# KiCad board master-circuit.kicad_pcb (continued)
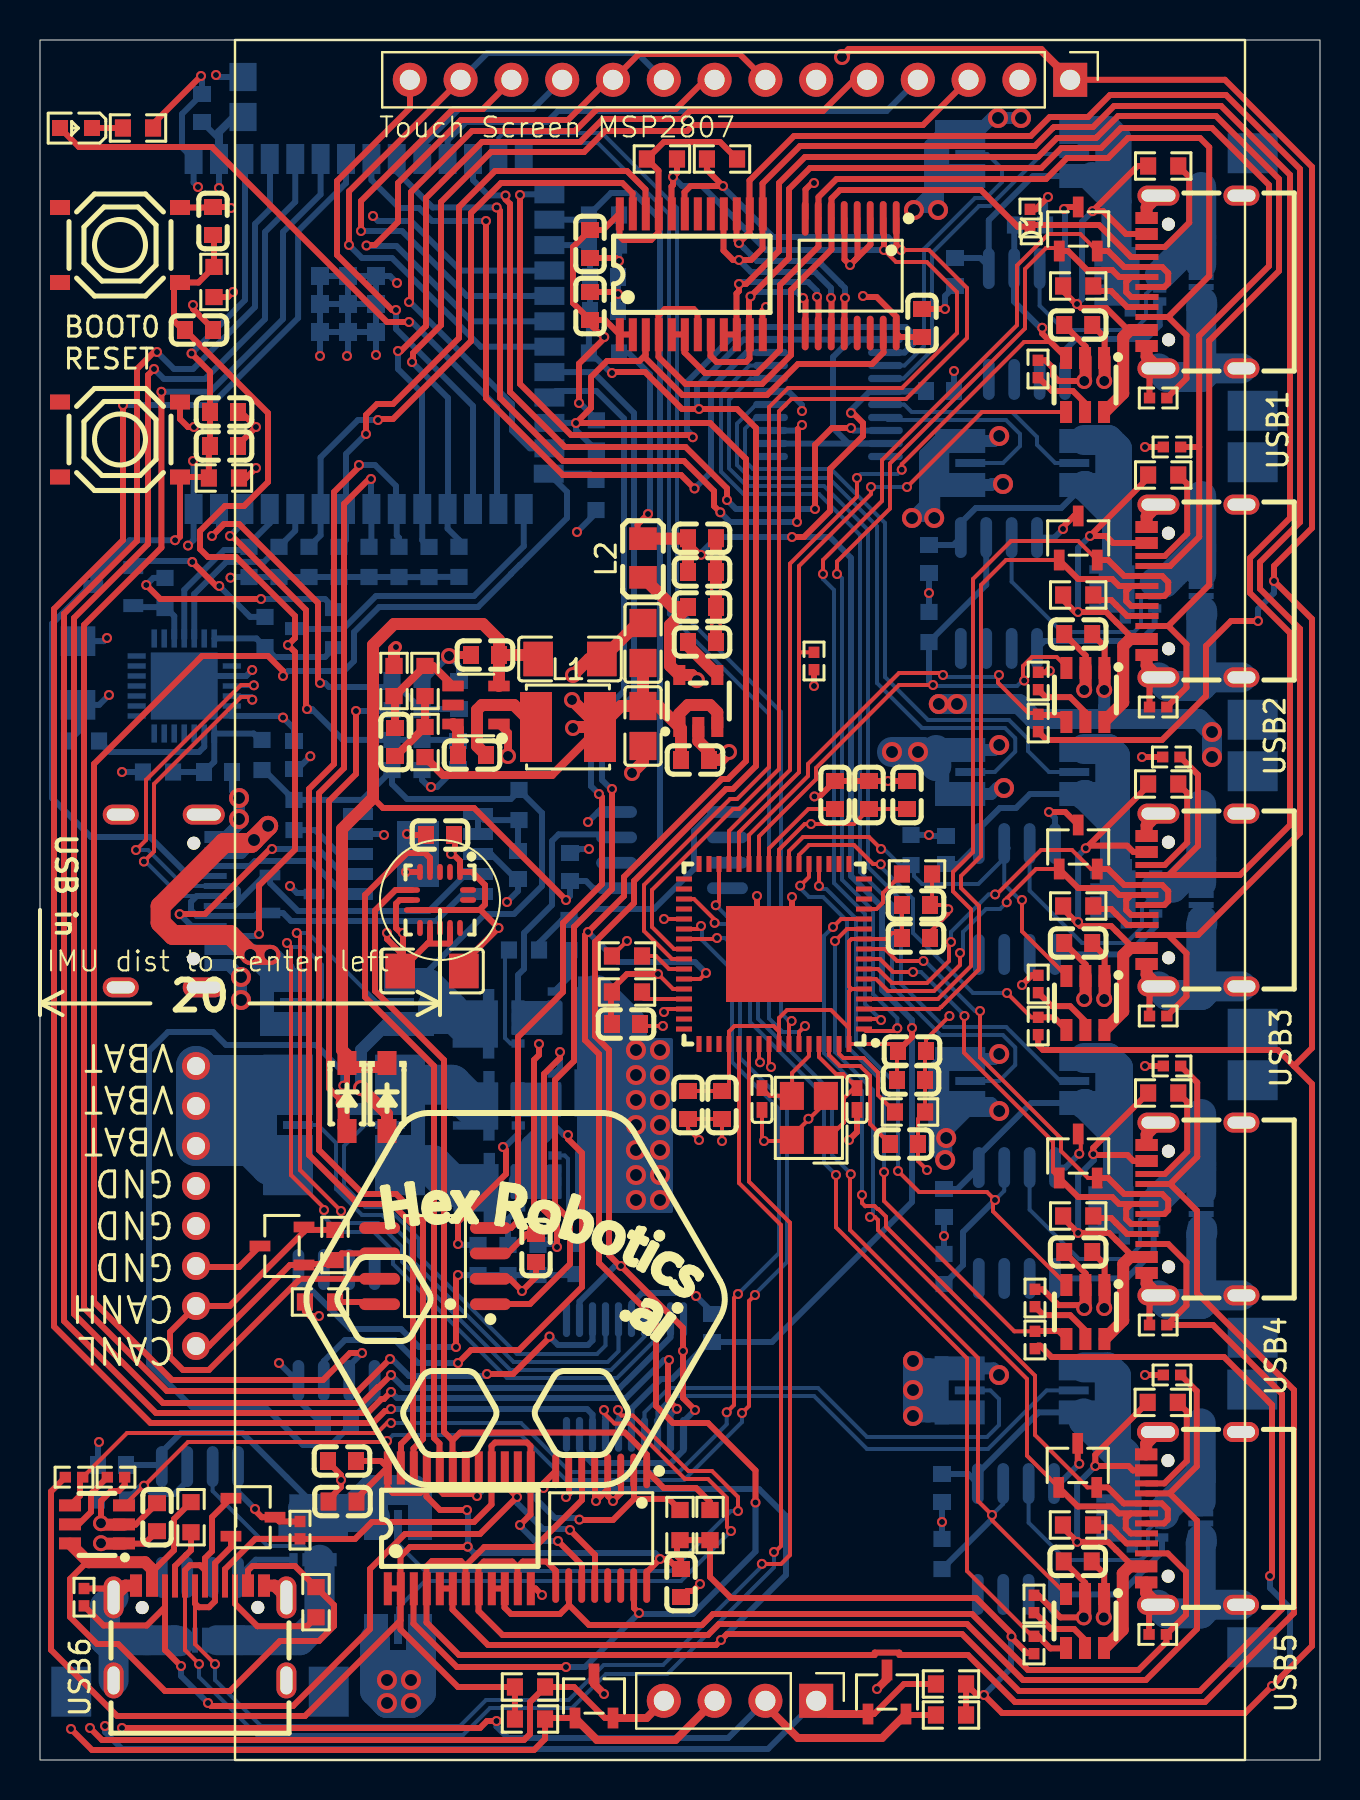
[diagram p0: board, top side]
## Routing (per net, layer and track width the routed paths; a pad name or vN(x,y) marks a point on that pad's centre or on a via; arc(x,y) is an arc through that point) (continued)
STATUS_LED: length 32.8
  Top w0.3: v1(18.45,71.9) 17.35,71.9 8.6,80.65 1.95,80.65 LED1.2
  Bottom w0.3: U1.28 22.85,62.62 22.85,67.65 18.6,71.9 v1(18.45,71.9)
TOUCH_CS: length 9
  Bottom w0.3: U1.10 19.11,80.71 20.95,82.55 24.65,82.55 U35.11
TOUCH_INT: length 25.9
  Top w0.3: U35.14 18.5,84 18.5,82.6 14.85,78.95 14.85,75.25 17.6,72.5 v1(17.8,72.5)
  Bottom w0.3: v1(17.8,72.5) 17.8,71.55 21.65,67.7 U1.29
TX: length 8.9
  Bottom w0.3: U10.25 7.21,58.51 9.21,60.5 10.29,60.5 R33.1 10.45,60.8 11.49,61.84 U1.37
USBDN1_D+: length 54.5
  Top w0.2: v1(39.15,59.3) 39.15,60 42.1,62.95 42.1,64.99 48.85,71.74 48.85,74.72 50.43,76.3 52.01,76.3 D1.2 ; v1(42.05,37) 42,37.05 U24.2
  Top w0.3: D1.2 52.86,75.45 53.41,75.45 54.21,74.65 USB1.B6 56.11,74.65 56.41,74.35 56.41,73.84 56.22,73.65 USB1.A6
  Bottom w0.2: v1(39.15,59.3) 39.15,59.05 39.7,58.5 39.7,43.85 41.25,42.3 41.25,37.8 v1(42.05,37)
USBDN1_D-: length 54
  Top w0.2: v1(42.87,36.59) 42.73,36.45 41.3,36.45 U24.1 ; v1(39.85,59.3) 39.85,59.92 42.5,62.57 42.5,64.83 49.25,71.58 49.25,74.55 50.3,75.6 50.81,75.6 D1.1
  Top w0.3: D1.1 51.4,75.45 52.35,74.5 53.61,74.5 53.96,74.15 54.56,74.15 ; 54.56,74.15 USB1.A7 ; 54.56,74.15 54.31,73.9 54.31,73.4 54.56,73.15 USB1.B7
  Bottom w0.2: v1(39.85,59.3) 39.88,59.3 40.1,59.08 40.1,44.02 41.65,42.47 41.65,38.3 42.87,37.08 v1(42.87,36.59)
USBDN2_D+: length 39.2
  Top w0.2: D2.2 51.91,60.95 48.55,60.95 46.65,59.05 46.65,45.4 45.65,44.4 45.65,43.43 46.55,42.53 46.55,39.7 44.9,38.05 U24.4
  Top w0.3: D2.2 52.86,60 53.41,60 54.21,59.2 USB2.B6 56.11,59.2 56.41,58.9 56.41,58.39 56.22,58.2 USB2.A6
USBDN2_D-: length 37.9
  Top w0.2: D2.1 48.3,60 47.05,58.75 47.05,45.2 46.05,44.2 46.05,43.6 46.95,42.7 46.95,39.53 45.07,37.65 45.05,37.65 44.95,37.55 U24.3
  Top w0.3: D2.1 51.91,59.05 53.61,59.05 53.96,58.7 54.56,58.7 ; USB2.B7 54.56,57.7 54.31,57.95 54.31,58.45 54.56,58.7 ; 54.56,58.7 USB2.A7
USBDN3_D+: length 21.5
  Top w0.2: v1(47.76,43.28) 47.83,43.28 50.05,45.5 51.6,45.5 52.55,44.55 D5.2 ; U24.7 41.9,39.55 42.6,38.85 44.35,38.85 45.45,39.95 45.45,40.8 v1(45.55,40.9)
  Top w0.3: USB3.A6 56.22,42.75 56.41,42.94 56.41,43.45 56.11,43.75 USB3.B6 54.21,43.75 53.41,44.55 52.86,44.55 D5.2
  Bottom w0.2: v1(45.55,40.9) 45.55,41.4 47.43,43.28 v1(47.76,43.28)
USBDN3_D-: length 20.5
  Top w0.2: U24.6 41.8,39.05 42.4,38.45 44.7,38.45 46,39.75 v1(46,40.35) ; D5.1 49.8,44.55 48.34,43.09 v1(48.34,42.89)
  Top w0.3: 54.56,43.25 53.96,43.25 53.61,43.6 51.91,43.6 D5.1 ; 54.56,43.25 USB3.A7 ; 54.56,43.25 54.31,43 54.31,42.5 54.56,42.25 USB3.B7
  Bottom w0.2: v1(46,40.35) 46.15,40.5 46.15,41.4 47.3,42.55 48,42.55 v1(48.34,42.89)
USBDN4_D+: length 23.8
  Top w0.2: v1(44.17,39.95) 42.85,39.95 42.25,40.55 U24.9 ; D9.2 52.4,29.1 51.05,30.45 51.05,31.08 47,35.13 v1(47,37.45)
  Top w0.3: D9.2 52.86,29.1 53.41,29.1 54.21,28.3 USB4.B6 56.11,28.3 56.41,28 56.41,27.49 56.22,27.3 USB4.A6
  Bottom w0.2: v1(47,37.45) 46.75,37.45 44.25,39.95 v1(44.17,39.95)
USBDN4_D-: length 23.2
  Top w0.2: v1(43.65,39.4) 42.65,39.4 42,40.05 U24.8 ; v1(46.22,37.2) 46.2,37.18 46.2,35.36 50.65,30.91 50.65,29.41 D9.1
  Top w0.3: USB4.A7 54.56,27.8 ; 54.56,27.8 54.31,27.55 54.31,27.05 54.56,26.8 USB4.B7 ; 54.56,27.8 53.96,27.8 53.61,28.15 51.91,28.15 D9.1
  Bottom w0.2: v1(46.22,37.2) 46.05,37.37 46.05,37.4 44.05,39.4 v1(43.65,39.4)
USBDN5_D+: length 41.8
  Top w0.2: v1(39.65,41.65) 40.05,42.05 U24.12 ; D10.2 52.37,13.63 49.75,16.25 49.75,19.22 42.3,26.67 42.3,27.17 41.92,27.55 41.88,27.55 41.73,27.7 41.27,27.7 41.26,27.69 41.1,27.85 v1(41.1,28.25)
  Top w0.3: USB5.A6 56.2,11.83 56.39,12.02 56.39,12.53 56.09,12.83 USB5.B6 54.19,12.83 53.39,13.63 52.84,13.63 D10.2
  Bottom w0.2: v1(41.1,28.25) 41.1,33.45 39.2,35.35 39.2,41.2 v1(39.65,41.65)
USBDN5_D-: length 40.8
  Top w0.2: D10.1 49.35,15.22 49.35,19.05 41.9,26.5 41.9,27 41.75,27.15 v1(41.5,27.15) ; U24.11 40.35,41.55 v1(39.75,40.95)
  Top w0.3: D10.1 51.89,12.68 53.59,12.68 53.94,12.33 54.54,12.33 ; USB5.B7 54.54,11.33 54.29,11.58 54.29,12.08 54.54,12.33 ; 54.54,12.33 USB5.A7
  Bottom w0.2: v1(41.5,27.15) 41.65,27.3 41.65,33.5 39.75,35.4 v1(39.75,40.95)
USBDN6_D+: length 70.5
  Top w0.2: v1(8.75,4.79) 7.75,5.79 USB6.A6 ; v1(36.09,9.81) 36.1,9.8 37.05,9.8 37.5,10.25 37.5,26.87 35.45,28.92 U24.54
  Top w0.3: USB6.A6 7.75,7.83 7.94,7.64 8.45,7.64 8.75,7.94 USB6.B6 8.75,9.84 9.55,10.64 9.55,11.19 D11.2
  Bottom w0.2: v1(8.75,4.79) 8.75,4 11.05,1.7 21,1.7 22.3,3 26.43,3 28.18,4.75 31.15,4.75 36.09,9.69 v1(36.09,9.81)
USBDN6_D-: length 72.4
  Top w0.2: U24.53 34.95,28.85 37.05,26.75 37.05,10.7 36.75,10.4 v1(36.7,10.4) ; v1(7.95,4.8) 7.25,5.5 USB6.B7
  Top w0.3: USB6.B7 7.25,9.49 7.5,9.74 8,9.74 8.25,9.49 ; 8.25,9.49 USB6.A7 ; 8.25,9.49 8.25,10.09 8.6,10.44 8.6,12.14 D11.1
  Bottom w0.2: v1(36.7,10.4) 36.7,9.63 31.37,4.3 28.3,4.3 26.6,2.6 22.5,2.6 21.15,1.25 10.85,1.25 7.95,4.15 v1(7.95,4.8)
VANY: length 93.9
  Top w0.3: D12.1 15.35,33.9 v1(15.17,33.72) ; v1(26.3,43) 21.7,47.6 17.15,47.6 16.65,48.1
  Top w0.6: U4.3 22.95,55.25 C22.2 ; C22.2 22.95,56 22.15,56.8 17.7,56.8 16.65,55.75 16.65,48.1 15.1,46.55 15.1,35.5 15.35,35.25 D12.1 15.55,34.65 17.15,34.65 D14.1 ; C22.2 24.71,55.25 C21.2
  Bottom w0.3: U47.1 16.73,18.18 15.6,17.05 15.6,16.8 C56.2 14.55,15.75 13.15,15.75 11.25,17.65 7.6,17.65 5.45,19.8 5.45,35.45 6.4,36.4 8.65,36.4 9.3,35.75 13.8,35.75 15.17,34.38 v1(15.17,33.72) ; U46.1 27.66,43.59 27.3,43.95 C55.2 26.5,43.2 v1(26.3,43)
Net-(LED1-K): length 1.5
  Top w0.3: LED1.1 R23.1
Net-(Q8-G): length 7.9
  Bottom w0.3: U41.5 51.25,70.5 51.8,71.05 55.3,71.05 55.99,71.74 Q8.4
Net-(Q12-G): length 7.2
  Bottom w0.3: U43.5 50.22,55.95 55,55.95 55.74,56.69 Q12.4
Net-(Q23-G): length 6.3
  Bottom w0.3: U44.5 54.38,40.28 55.79,41.69 Q23.4
Net-(Q24-G): length 6.6
  Bottom w0.3: Q24.4 55.69,25.44 54.33,24.08 U45.5
Net-(Q25-G): length 7
  Bottom w0.3: Q25.4 56.1,11.11 56.1,10.4 53.98,8.28 50.7,8.28
Net-(Q26-G): length 3.1
  Bottom w0.3: U49.5 10.79,10.01 Q26.4
Net-(U10-RSTb): length 6.3
  Bottom w0.3: R39.2 3.5,50.4 7.95,50.4 8.21,50.66 U10.9
Net-(U10-VBUS): length 6.2
  Bottom w0.3: R40.2 11,51 10.68,51.32 U10.8 8.71,49.91 C18.1 R41.1
Net-(U24-SUSP_IND/LOCAL_PWR/NON_REM0): length 2.4
  Top w0.2: R51.1 30.05,38.35 30.05,38.2 30.2,38.05 U24.45
Net-(U24-VDD18): length 4.9
  Top w0.2: U24.25 36.45,45.58 38.42,47.55 C63.2
Net-(U46-Gate): length 13.6
  Bottom w0.3: R81.1 24.95,40.85 26.1,42 R77.1 27.05,42 27.6,42.55 30.7,42.55 32.7,44.55 32.7,46.46 33.64,47.4 U46.5
Net-(U47-Gate): length 19.3
  Top w0.3: v1(20.9,24.25) 20.8,24.15 v1(20.8,20.65)
  Bottom w0.3: U47.5 12.92,24.15 15.52,21.55 18.05,21.55 18.95,20.65 v1(20.8,20.65) ; R94.1 26.75,24.25 R92.1 R93.1 R90.1 20.9,24.25 v1(20.9,24.25)

## Copper pours and planes (outline as drawn; the poured copper is in the pictures)
3V3 on In1.Cu: -28.55,110.7 41.55,110.7 41.55,35.65 -28.55,35.65
GND on In2.Cu: -19.65,96.5 90.85,96.5 90.85,-21.45 -19.65,-21.45
VCC on In1.Cu: -21.65,99.2 88.65,99.2 88.65,-19.9 -21.65,-19.9

## Text on the board
B.Silkscreen: VCC | GND
F.Silkscreen: IMU dist to center left | Touch Screen MSP2807 | RESET | BOOT0 | USB in | CANL / CANH / GND / GND / GND / VBAT / VBAT / VBAT
